# Altium PCB NG2093.PcbDoc (part 8 of 8)
Units mm, origin at the board's own origin, x right, y up, seen from the top; angles counter-clockwise.
Board outline 125 x 63 mm, 6 copper layers (Top Copper, Signal Layer 1, Signal Layer 2, Signal Layer 3, Signal Layer 4, Bottom Copper), stack 1.579 mm thick; 379 components, 295 nets, 1557 pads, 1142 vias.
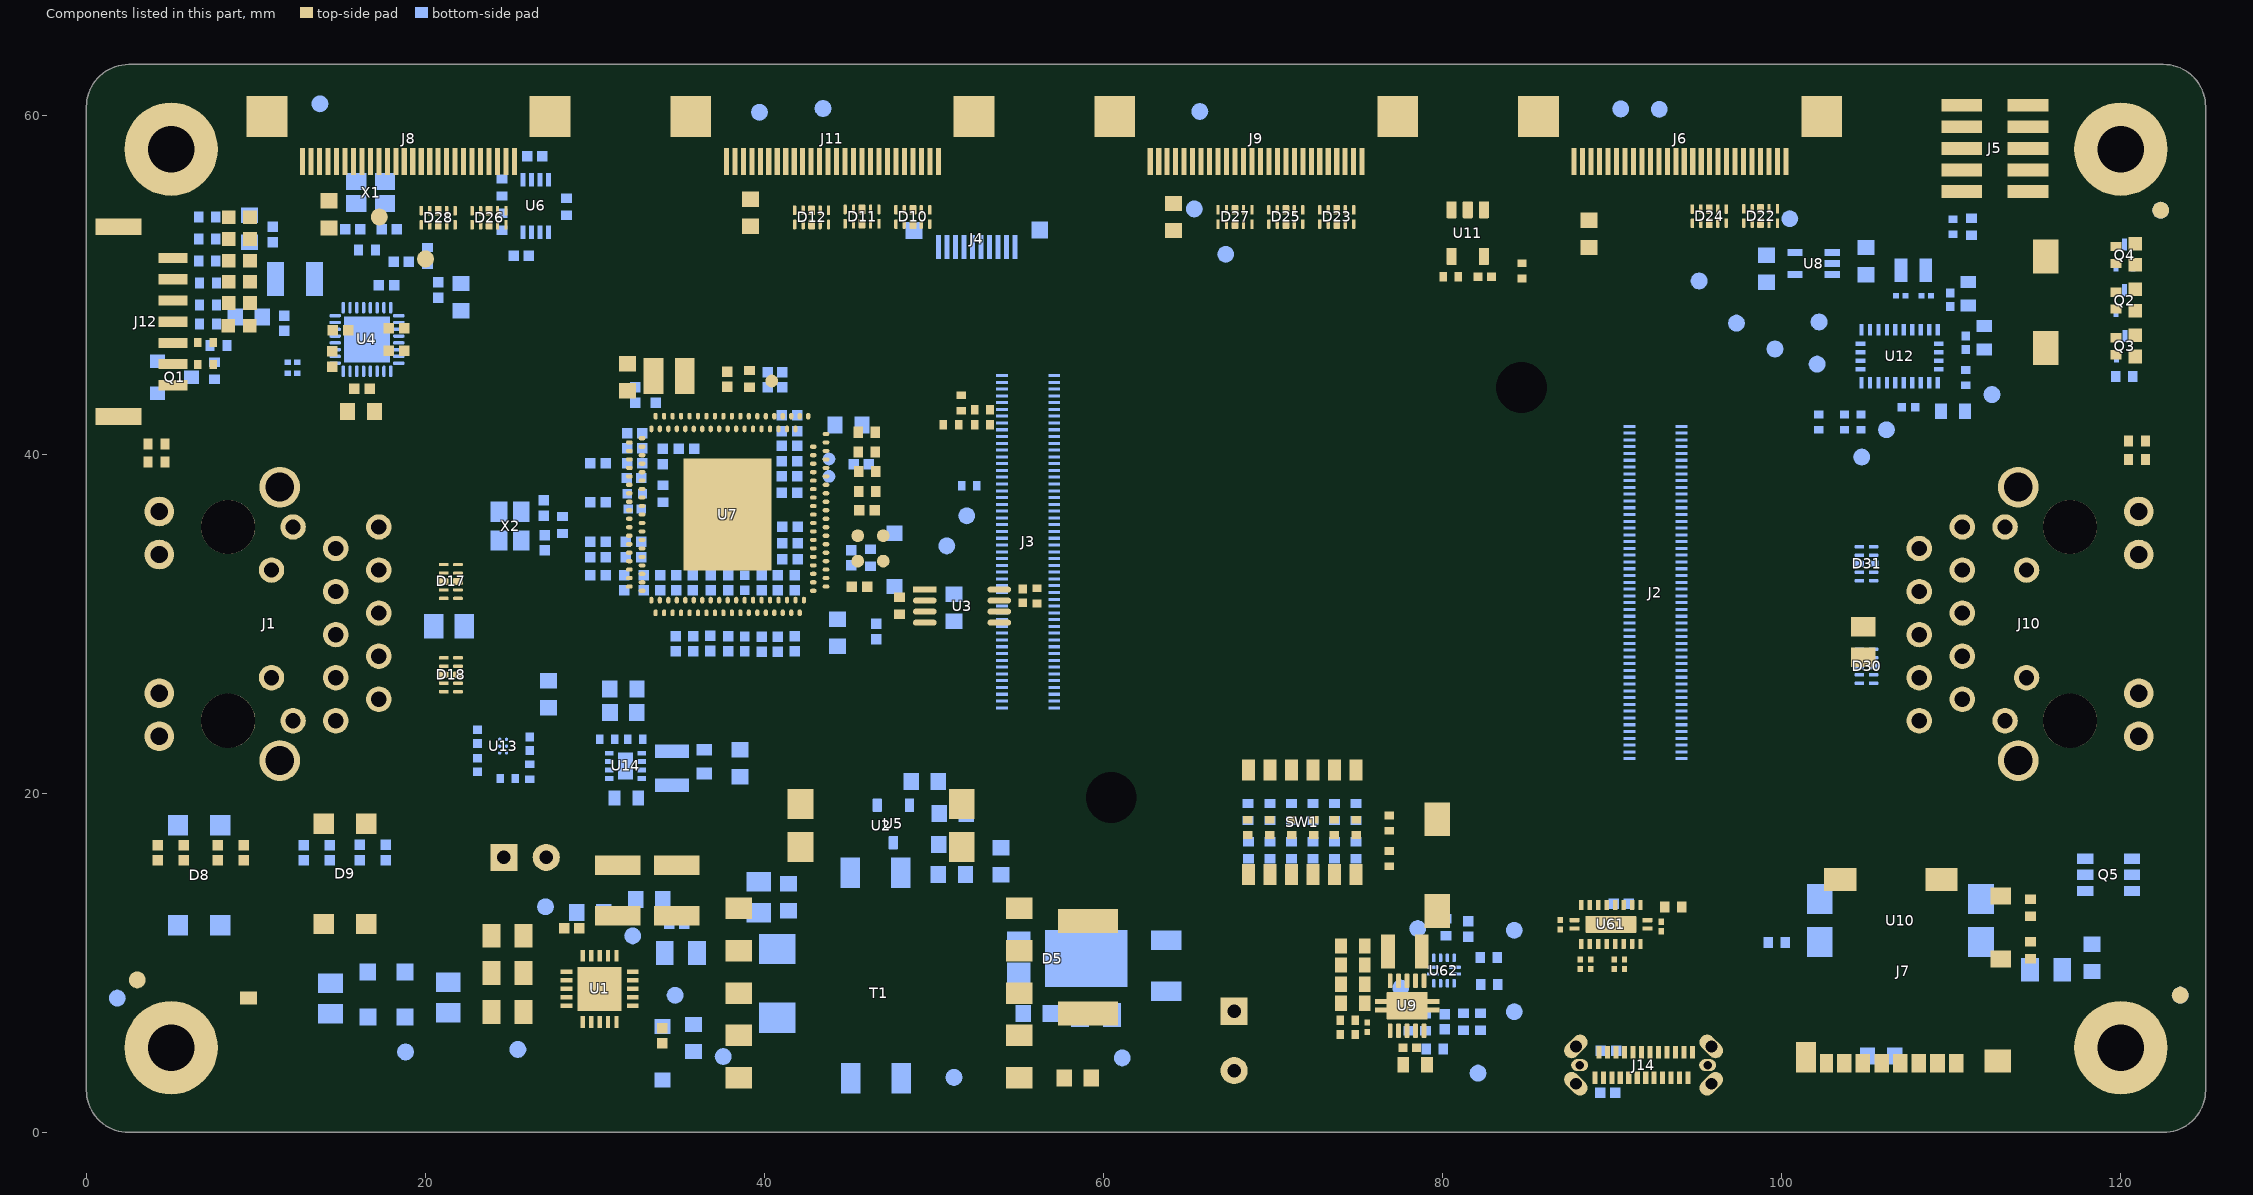
[diagram p12: the components of this part, seen from the top]

## Other copper (continued)
Bottom Copper:
  pour cut-out: 11.7,49.346 12.89,49.346 12.89,51.02 ccw(c12.283,51.02) 12.712,51.45 11.682,51.45
  pour cut-out: 6.465,1 4.125,1.383 cw(c4.125,3.923) 1.585,3.923 1.585,19.338 2.846,20.6 18.3,20.6 20.27,18.63 38.63,18.63 39.338,19.338 47,19.338 47,0 46,0 46,17.436 44.609,18.826 40.626,18.826 39.666,17.866 22.566,17.866 6.465,14.851
  pour cut-out: 89.95,17.425 94.8,17.425 99.125,21.75 99.125,33.35 99.9,34.125 104.1,34.125 104.1,19.85 99.9,15.65 90.05,15.65
  pour cut-out: 62.969,32.831 63,46.7 77.25,46.7 81.75,42.2 90.675,42.2 90.675,16.075 79.725,16.075
  pour cut-out: 17.575,43.275 18.3,43.275 18.6,42.975 20.575,42.975 35.55,57.95 59.2,57.95 59.2,57.625 62.525,54.3 62.525,41.75 59.25,38.475 57.35,38.475 57.35,41.825 59.325,43.8 59.325,52.525 57.825,54.025 37.6,54.025 32.475,48.9 46.325,48.9 51.2,44.025 49.85,42.675 49.575,42.675 45.15,47.1 32.8,47.1 23.25,37.55 14.15,37.55 12.7,39 10.425,39 10.425,43.175 11.55,44.3 11.575,44.275 16.425,44.275
  pour cut-out: 62.325,51.4 64.075,51.4 64.325,51.15 64.325,39.325 64.325,38.275 58.756,38.275
  region net NetC59_2: 24.7,23.175 24.7,23.425 24.85,23.575 25.05,23.575 25.2,23.425 25.2,23.225 25.05,23.075 24.8,23.075 24.725,23.15
  pour cut-out: 56.148,6.274 62.566,6.274 63.312,7.02 63.312,8.588 62.616,9.284 56.383,9.284 56.148,9.05
  region net VNEG_IN: 6.408,13.93 6.408,9.821 5.908,9.321 1.55,9.321 1.158,9.712 1.158,13.821 1.908,14.571 5.767,14.571
  region net VPOS_IN: 6.891,13.93 6.891,9.821 7.391,9.321 11.749,9.321 12.141,9.712 12.141,13.821 11.391,14.571 7.532,14.571
  region net CT1: 6.891,19.83 6.891,15.721 7.391,15.221 11.749,15.221 12.141,15.612 12.141,19.721 11.391,20.471 7.532,20.471
  region net CT2: 6.408,19.83 6.408,15.721 5.908,15.221 1.55,15.221 1.158,15.612 1.158,19.721 1.908,20.471 5.767,20.471
  region net 5V_PoE: 54.5,27.05 54.5,23 54.25,22.75 54.25,21.625 54.483,21.392 56.768,21.392 57.05,21.674 57.05,22.7 56.6,23.15 56.6,27.05
  region net 5V_PoE: 52.109,13.065 53.201,13.065 53.601,13.465 53.601,13.821 53.207,14.215 52.107,14.215
  region net NetC6_2: 58.973,13.05 60.065,13.05 60.465,13.45 60.465,13.806 60.071,14.2 58.971,14.2
  region net NetC6_2: 58.973,13.05 57.881,13.05 57.481,13.45 57.481,13.806 57.875,14.2 58.975,14.2

## Silkscreen, mask and mechanical layers (free items; w line width, h text height)
Top Overlay:
  drawing of 21 lines, arcs and shapes, not listed
  text "1000" at 10.291,53.576 h1.5
  text "100" at 10.986,52.226 h1.5
  text "J5 Header" at 97.749,51.829 h1.5
  text "RST" at 121.525,51.32 h1.5
  text "CAMD-4L" at 39.925,51.1 h2
  text "RTL" at 10.482,50.895 h1.5
  text "10" at 13.406,50.876 h1.5
  text "CAMA-4L" at 66.275,50.875 h2
  text "CAMC-2L" at 20.85,50.85 h2
  text "CAMB-2L" at 89.575,50.7 h2
  text ".project_title / .rev" at 47.025,49.85 h1.5
  text "LED 2 0" at 10.281,49.599 h1.5
  text "MOD_nRST" at 99.372,49.524 h1
  text "I2C3_SCL" at 105.42,49.524 h1
  text "PG" at 121.55,48.597 h1.5
  text "LED 1 0" at 10.303,48.3 h1.5
  text "I2C3_SDA" at 105.42,48.254 h1
  text "NC" at 102.963,48.17 h1
  text "0 0" at 10.328,47.049 h1.5
  text "2485_PGOOD" at 98.416,46.984 h1
  text "NC" at 105.42,46.9 h1
  text "5V" at 121.57,45.918 h1.5
  text "2485_WAKEUP" at 98.082,45.726 h0.97
  text "NC" at 105.42,45.63 h1
  text "0122" at 58.17,44.633 h1.5
  text "GND" at 102.256,44.349 h1
  text "GND" at 105.42,44.349 h1
  text "Reset" at 113.887,43.508 h1.5
  text "PSRBS" at 7.6,38.625 h2 r90
  text "e" at 105.754,36.416 h8
  text "0" at 68.225,22.341 h1.5
  text "1" at 69.519,22.341 h1.5
  text "2" at 70.613,22.341 h1.5
  text "3" at 71.928,22.341 h1.5
  text "4" at 73.238,22.343 h1.5
  text "G58" at 74.446,22.329 h1.5
  text "o" at 62.65,22.175 h15
  text "ETH PoE IN" at 19.974,21.674 h2
  text "ETH PoE OUT" at 98.717,20.199 h2
  text "Boot" at 66.716,16.975 h1.5 r90
  text "W" at 120.131,10.879 h6
Bottom Overlay:
  drawing of 7 lines, arcs and shapes, not listed
  text "JTAG" at 46.908,52.83 h1.5
  text ".project_title / .rev" at 90.975,48.725 h1.5
Board:
  lines w0.15: 2.5,62.995 ccw(c2.5,60.495) 0,60.495 0,2.5 ccw(c2.5,2.5) 2.5,0 122.5,0 ccw(c122.5,2.5) 125,2.5 125,60.544 ; 2.5,63 122.5,63 cw(c122.5,60.5) 125,60.5
DimTop:
  circle w0.013: c120,57.9 r1.35
  circle w0.013: c120,5 r1.35
  circle w0.013: c5,5 r1.35
  circle w0.013: c5,57.9 r1.35
Drill Drawing:
  circle w0.254: c-55.939,41.192 r0.276
  circle w0.254: c-55.939,41.192 r0.46
  circle w0.254: c-55.939,22.581 r0.46
  lines w0.254: -56.398,20.697 -56.169,20.697 -55.939,20.467 -55.709,20.697 -55.479,20.697 -55.709,20.927 -55.479,21.157 -55.709,21.157 -55.939,21.386 -56.169,21.157 -56.398,21.157 -56.169,20.927 -56.398,20.697 ; -56.398,24.419 -56.169,24.419 -56.169,24.19 -55.709,24.19 -55.709,24.419 -55.479,24.419 -55.479,24.879 -55.709,24.879 -55.709,25.109 -56.169,25.109 -56.169,24.879 -56.398,24.879 -56.398,24.419 ; -56.398,26.258 -56.398,26.487 -56.169,26.717 -56.398,26.947 -56.398,27.177 -56.169,27.177 -55.939,26.947 -55.709,27.177 -55.479,27.177 -55.479,26.947 -55.709,26.717 -55.479,26.487 -55.479,26.258 -55.709,26.258 -55.939,26.487 -56.169,26.258 -56.398,26.258 ; -56.398,29.245 -55.479,29.245 -55.939,28.325 -56.398,29.245 ; -56.398,30.623 -56.169,30.623 -55.939,30.393 -55.709,30.623 -55.479,30.623 -55.709,30.853 -55.479,31.083 -55.709,31.083 -55.939,31.312 -56.169,31.083 -56.398,31.083 -56.169,30.853 -56.398,30.623 ; -56.398,32.461 -55.939,32.691 -55.479,32.461 -55.709,32.921 -55.479,33.38 -55.939,33.151 -56.398,33.38 -56.169,32.921 -56.398,32.461 ; -56.398,34.529 -55.479,34.529 -55.479,35.448 -56.398,35.448 -56.398,34.529 ; -56.398,37.516 -55.479,37.516 -55.939,36.597 -56.398,37.516 ; -56.398,39.125 -55.939,38.665 -55.479,39.125 -55.939,39.584 -56.398,39.125 ; -56.398,42.801 -55.479,42.801 -55.479,43.72 -56.398,43.72 -56.398,42.801 ; -56.398,44.869 -55.939,45.099 -55.479,44.869 -55.709,45.328 -55.479,45.788 -55.939,45.558 -56.398,45.788 -56.169,45.328 -56.398,44.869 ; -56.215,20.789 -56.077,20.789 -55.939,20.651 -55.801,20.789 -55.663,20.789 -55.801,20.927 -55.663,21.065 -55.801,21.065 -55.939,21.203 -56.077,21.065 -56.215,21.065 -56.077,20.927 -56.215,20.789 ; -56.215,37.332 -55.663,37.332 -55.939,36.781 -56.215,37.332 ; -56.215,42.985 -55.663,42.985 -55.663,43.536 -56.215,43.536 -56.215,42.985 ; -56.215,45.053 -55.939,45.19 -55.663,45.053 -55.801,45.328 -55.663,45.604 -55.939,45.466 -56.215,45.604 -56.077,45.328 -56.215,45.053
  lines w0.381: -57.259,19.847 -19.319,19.847 ; -57.259,21.501 -19.614,21.501 ; -57.259,21.915 -19.319,21.915 ; -57.259,46.316 -19.614,46.316 ; -51.941,17.779 -51.941,23.983 ; -51.941,19.433 -51.941,48.384 ; -47.576,17.779 -47.576,23.983 ; -46.643,19.433 -46.643,48.384 ; -38.937,17.779 -38.937,23.983 ; -37.098,19.433 -37.098,48.384 ; -34.815,17.779 -34.815,23.983 ; -32.976,19.433 -32.976,48.384 ; -57.259,17.779 -19.319,17.779 -19.319,23.983 -57.259,23.983 -57.259,17.779 ; -57.259,19.433 -19.614,19.433 -19.614,48.384 -57.259,48.384 -57.259,19.433
  text "Symbol" at -56.018,46.937 h1.2
  text "Count" at -51.321,46.937 h1.2
  text "Hole Size" at -46.022,46.937 h1.2
  text "Plated" at -36.478,46.937 h1.2
  text "Drill Layer Pair" at -32.356,46.937 h1.2
  text "106" at -51.321,44.869 h1
  text "7.87mil (0.200mm)" at -46.022,44.869 h1
  text "PTH" at -36.478,44.869 h1
  text "Top Copper - Bottom Copper" at -32.356,44.869 h1
  text "150" at -51.321,42.801 h1
  text "8.00mil (0.203mm)" at -46.022,42.801 h1
  text "PTH" at -36.478,42.801 h1
  text "Top Copper - Bottom Copper" at -32.356,42.801 h1
  text "835" at -51.321,40.733 h1
  text "10.00mil (0.254mm)" at -46.022,40.733 h1
  text "PTH" at -36.478,40.733 h1
  text "Top Copper - Bottom Copper" at -32.356,40.733 h1
  text "2" at -51.321,38.665 h1
  text "19.69mil (0.500mm)" at -46.022,38.665 h1
  text "PTH" at -36.478,38.665 h1
  text "Top Copper - Bottom Copper" at -32.356,38.665 h1
  text "4" at -51.321,36.597 h1
  text "27.56mil (0.700mm)" at -46.022,36.597 h1
  text "PTH" at -36.478,36.597 h1
  text "Top Copper - Bottom Copper" at -32.356,36.597 h1
  text "4" at -51.321,34.529 h1
  text "31.50mil (0.800mm)" at -46.022,34.529 h1
  text "PTH" at -36.478,34.529 h1
  text "Top Copper - Bottom Copper" at -32.356,34.529 h1
  text "28" at -51.321,32.461 h1
  text "35.43mil (0.900mm)" at -46.022,32.461 h1
  text "PTH" at -36.478,32.461 h1
  text "Top Copper - Bottom Copper" at -32.356,32.461 h1
  text "8" at -51.321,30.393 h1
  text "40.16mil (1.020mm)" at -46.022,30.393 h1
  text "PTH" at -36.478,30.393 h1
  text "Top Copper - Bottom Copper" at -32.356,30.393 h1
  text "4" at -51.321,28.325 h1
  text "66.93mil (1.700mm)" at -46.022,28.325 h1
  text "PTH" at -36.478,28.325 h1
  text "Top Copper - Bottom Copper" at -32.356,28.325 h1
  text "4" at -51.321,26.258 h1
  text "108.27mil (2.750mm)" at -46.022,26.258 h1
  text "PTH" at -36.478,26.258 h1
  text "Top Copper - Bottom Copper" at -32.356,26.258 h1
  text "2" at -51.321,24.19 h1
  text "118.11mil (3.000mm)" at -46.022,24.19 h1
  text "PTH" at -36.478,24.19 h1
  text "Top Copper - Bottom Copper" at -32.356,24.19 h1
  text "Symbol" at -56.018,22.535 h1.2
  text "Count" at -51.321,22.535 h1.2
  text "Hole Size" at -46.955,22.535 h1.2
  text "Plated" at -38.317,22.535 h1.2
  text "Drill Layer Pair" at -34.195,22.535 h1.2
  text "4" at -51.321,22.122 h1
  text "125.98mil (3.200mm)" at -46.022,22.122 h1
  text "NPTH" at -36.478,22.122 h1
  text "Top Copper - Bottom Copper" at -32.356,22.122 h1
  text "51" at -51.321,20.467 h1
  text "4.02mil (0.102mm)" at -46.955,20.467 h1
  text "PTH" at -38.317,20.467 h1
  text "[uVia] Top Copper - Signal Layer 2" at -34.195,20.467 h1
  text "1151 Total" at -51.321,20.054 h1
  text "Slot definitions :" at -56.018,18.606 h1
  text "Routed Path Length" at -49.216,18.606 h1
  text "= Calculated from tool start centre position to tool end centre position." at -40.788,18.606 h1
  text "51 Total" at -51.321,18.4 h1
  text "Hole Length" at -49.216,17.779 h1
  text "= Routed Path Length + Tool Size = Slot length as defined in the PCB layout" at -43.916,17.779 h1

## Dimensions
5,5 to 5,58 on DimTop
5,5 to 120,5 on DimTop
2.5,63 to 2.5,0 on DimTop
0,2.5 to 125,2.5 on DimTop

## Text inside footprints (layer, text, board x,y; h text height)
D8: Bottom Overlay "+" at 8.849,11.804 h1.5 r180
D9: Top Overlay "+" at 13.05,11.888 h1.5 r180
J2: Bottom Assembly "CONNECTOR A" at 96.458,32.452 h0.75 r270
J3: Bottom Assembly "NG2099 Module / <1mm clearance" at 80.419,33.15 h0.75; Bottom Assembly "CONNECTOR B" at 54.192,36.093 h0.75 r90
J4: Bottom Overlay "1" at 49.424,51.107 h1; Bottom Overlay "10" at 56.325,51.085 h1; Assembly Notes "Top contact ffc" at 49.769,56.433 h1 r180
J5: Top Overlay "1" at 108.8,60.96 h1; Top Overlay "9" at 109.275,53.81 h1
J6: Top Overlay "26" at 85.781,57.103 h1; Top Overlay "1" at 101.922,57.086 h1
J8: Top Overlay "1" at 26.773,57.103 h1; Top Overlay "26" at 10.8,57.103 h1
J9: Top Overlay "26" at 60.717,57.039 h1; Top Overlay "1" at 76.941,57.103 h1
J11: Top Overlay "1" at 51.941,57.103 h1; Top Overlay "26" at 35.717,57.039 h1
SW1: Top Overlay "ON" at 75.732,14.532 h1
U61: Assembly Notes "Based on 0.125 thick stencil" at 87.325,12.17 h0.5